# Altium PCB gaze_led_through_hole_daughtercard.PcbDoc (part 1 of 2) (continued)
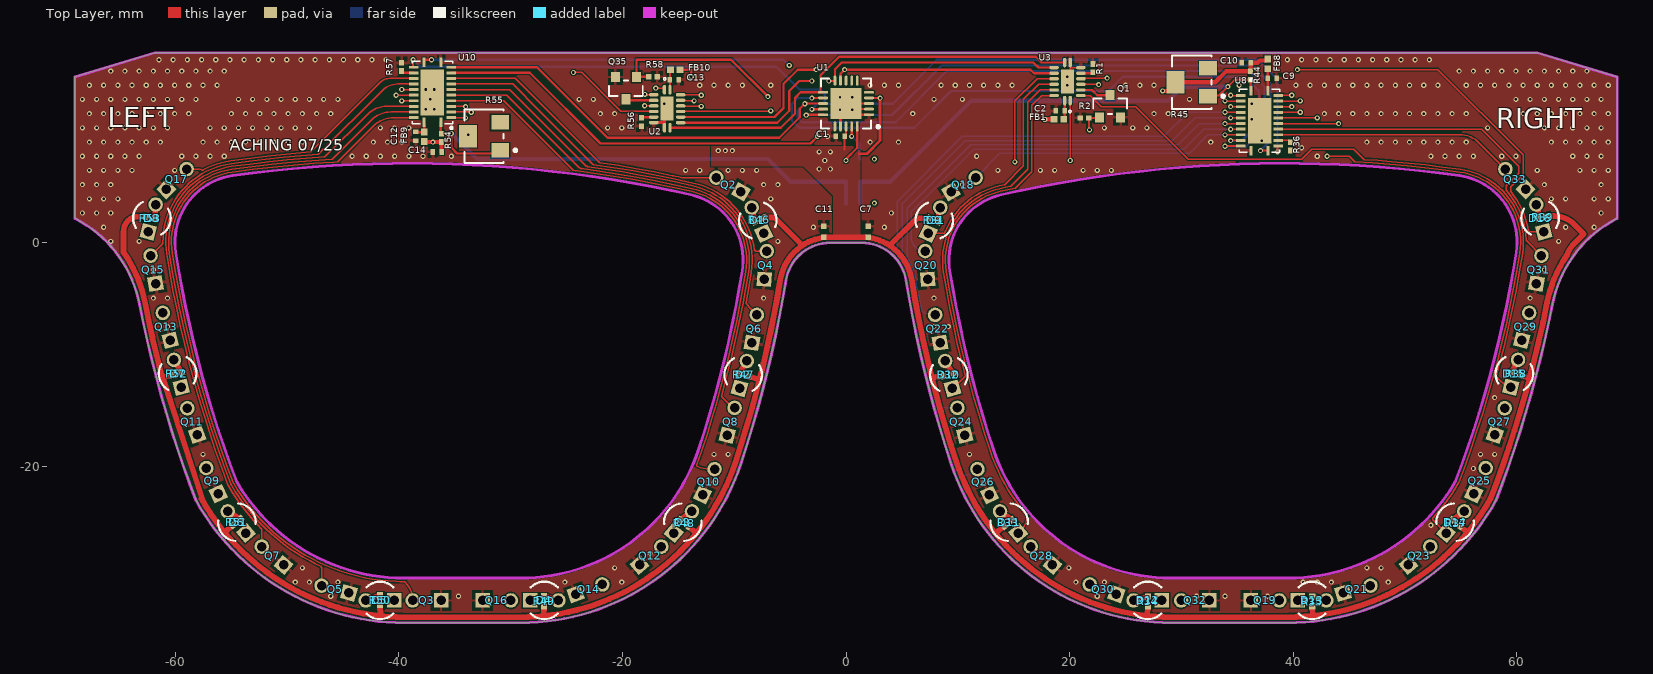
[diagram p0: Top Layer view]
## Part data
C1 C2 C9 C10 C12 C13 C14: library part CMP-2100-03641-2, "CAP CER 0.1UF 16V X7R 0402", Capacitance=100nF, Manufacturer=Murata, Package=GRM15, Temperature="-55°C to +125°C", Temperature Characteristic=X7R, Temperature Range High=+125°C, Temperature Range Low=-55°C, Tolerance=10%, Voltage Rating=16Vdc, Category=Cap, ComponentLink2Description=Datasheet, ComponentLink2URL=https://search.murata.co.jp/Ceramy/image/img/A01X/G101/ENG/GRM155R71H471KA01-01A.pdf, Device Class L1="Passive Components", Device Class L2=Capacitors, Device Class L3="Ceramic Capacitors", Digikey Description="CAP CER 0.1UF 16V X7R 0402", Height=0.55mm, Ipc Land Pattern Name=CAPC10050X219, Lead Free=yes, Manufacturer Part Number=GRM155R71C104KA88D, Material=Ceramic, Mouser Description="0402 0.1 uF 16V ±10 % Tolerance X7R SMT Multilayer Ceramic Capacitor", Octopart=https://octopart.com/grm155r71c104ka88d-murata-196880, RoHS=TRUE, Standoff Height=0mm
C7 C11: library part CMP-2100-03591-2, "CAP CER 1UF 6.3V X5R 0402", Capacitance="1 uF", Manufacturer=YAGEO, Package=CC0402, Temperature="-55°C to +125°C", Temperature Characteristic=X5R, Temperature Coefficient=30ppm/°C, Temperature Range High=+125°C, Temperature Range Low=-55°C, Tolerance=0.1, Voltage Rating="6.3 V", Automotive=No, Automotive Grade=NA, Category=Cap, ComponentLink2Description=Datasheet, ComponentLink2URL=http://www.yageo.com/documents/recent/UPY-GP_NP0_16V-to-50V_16.pdf, Device Class L1="Passive Components", Device Class L2=Capacitors, Device Class L3="Ceramic Capacitors", Digikey Description="CAP CER 1UF 6.3V X5R 0402", Footprint Url=http://www.yageo.com/exep/pages/download/literatures/UPY-C_GEN_24.pdf, Height=0.55mm, Ipc Land Pattern Name=CAPC10050X50, Lead Free=Yes, Manufacturer Part Number=CC0402KRX5R5BB105, Material=Ceramic, Mouser Description="Multilayer Ceramic Capacitors MLCC - SMD/SMT 1uF 6.3V X5R 10%", Octopart=https://octopart.com/cc0402krx5r5bb105-yageo-42244618, RoHS=TRUE
D1 D2 D3 D4 D5 D6 D7 D8 D9 D10 D11 D12 D13 D14 D15 D16: library part CMP-00030-18785862-1, "VSLB3940 940 nm 100 mA ±22° Through Hole High Speed Infrared Emitting Diode - T-1", Case/Package=T, Forward Current=100mA, Forward Voltage=1.35V, Max Operating Temperature=85°C, Max Power Dissipation=160mW, Min Operating Temperature=-25°C, Reverse Voltage=5V, Depth=3.2mm, Fall Time=15ns, Lead Free="Lead Free", Length=3.2mm, Lens Style="Circular, Diffused, Round", Mount="Through Hole", NexarPartId=18785862, Number of Elements=1, Number of LEDs=1, Number of Pins=2, Orientation="Top View", Packaging=Bulk, Peak Wavelength=940nm, Power Dissipation=160mW, Power Rating=160mW, Radiation Hardening=No, REACH SVHC=Unknown, Rise Time=15ns, RoHS=Compliant, Test Current=100mA, Viewing Angle=44°, Wavelength=940nm
FB1 FB8 FB9 FB10: library part CMP-0686-00187-4, "Chip Ferrite Bead, 0402, 600Ω @ 100MHz, 0.52Ω, 25%, 300mA", Case Code (Imperial)=0402, Case Code (Metric)=1005, Current Rating=300mA, DC Resistance (DCR)=520mR, DC Resistance-Max=600mR, Frequency=100MHz, Max Operating Temperature=125°C, Min Operating Temperature=-55°C, Package Quantity=10000, Tolerance=25%, Case/Package=0402, Core Material=Ferrite, DC Current=300mA, Depth=0.55mm, Height=0.5mm, Impedance=600R, Lead Free="Lead Free", Length=1mm, Material=Steel, Max Current Rating=300mA, Max DC Current=300mA, Military Standard=Not, Number of Circuits=1, Number of Lines=1, Number of Pins=2, Packaging="Tape and Reel", Radiation Hardening=No, REACH SVHC="No SVHC", RoHS Compliant=Yes, Series=BLM15AG_SN, Shielding=Unshielded, Termination=SMD/SMT, Test Frequency=100MHz, Width=0.5mm
J1: library part CMP-15126-126517171-1, "20021121-00010C4LF Conn Unshrouded Header HDR 10 POS 1.27mm Solder ST Top Entry SMD Minitek127® T/R", Color=Black, Contact Resistance=30mΩ, Current Rating=1A, Insulation Resistance=100MΩ, Max Operating Temperature=85°C, Max Voltage Rating (AC)=125V, Min Operating Temperature=-55°C, Connector Type="Header, Male Pin", Contact Material="Copper, Gold", Contact Mating Length=3.048mm, Contact Plating=Gold, Depth=3.4mm, Gender=Male, Height=4.8mm, Housing Color=Black, Housing Material=Thermoplastic, Length=6.35mm, Mating Post Length=3.05mm, Mount="Surface Mount", NexarPartId=126517171, Number of Contacts=10, Number of Pins=10, Number of Positions=10, Number of Rows=2, Orientation=Straight, Pitch=1.27mm, Radiation Hardening=No, REACH SVHC="No SVHC", RoHS=Compliant, Row Spacing=1.27mm, Stack Height=3mm, Termination=Solder, Voltage Rating=125V
Q1 Q35: library part CMP-12801-000001-1, "MOSFET N-CH 20V 2.8A SOT23", Continuous Drain Current=2.8A, Drain To Source Breakdown Voltage=20V, Drain To Source Resistance=61mΩ, Gate To Source Voltage=12V, Input Capacitace At Vds="130pF @ 10V", Manufacturer="Diodes Inc.", Max Forward Diode Voltage=1.2V, Max Junction Temp=+150°C, Package=SOT23, Power Dissipation=0.66W, Pulse Drain Current=12A, Temperature="-55°C to +150°C", Temperature Range Low=-55°C, Typ Forward Diode Voltage=0.7V, Automotive=Yes, Automotive Grade="Grade 0", Category=Trans, ComponentLink2Description=Datasheet, ComponentLink2URL=https://www.diodes.com/assets/Datasheets/DMG2302UK.pdf, Depletion Mode=False, Device Class L1="Discrete Semiconductors", Device Class L2=Transistors, Device Class L3=MOSFETs, Digikey Description="MOSFET N-CH 20V 2.8A SOT23", Drain To Source Voltage=20V, Footprint Url=https://www.diodes.com/assets/Package-Files/SOT23.pdf, Gate Charge At Vgs="2.8nC @ 10V", Height=1.1mm, Lead Free=Yes, Manufacturer Part Number=DMG2302UK-7, Number Of Channels=1, Number Of N Channels=1, Octopart=https://octopart.com/dmg2302uk-7-diodes+inc.-73850182, Reverse Recovery Charge=0.5nC, Reverse Recovery Time=5.3ns, RoHS=TRUE, Rthja Max=192°C/W, Standoff Height=0.013mm, Temperature Range High=+150°C, Threshold Vgs Max=1V, Threshold Vgs Min=0.3V, Turn Off Delay Time=4.2ns, Turn On Delay Time=0.6ns
Q2 Q3 Q4 Q5 Q6 Q7 Q8 Q9 Q10 Q11 Q12 Q13 Q14 Q15 Q16 Q17 Q18 Q19 Q20 Q21 Q22 Q23 Q24 Q25 Q26 Q27 Q28 Q29 Q30 Q31 Q32 Q33: library part CMP-22030-000001-1, "SENSOR PHOTO 940NM TOP VIEW T1", Collector Emitter Breakdown Voltage=30V, Dark Current=0.1uA, Manufacturer=Lite-On, Max Collector Current=9.6mA, Power Dissipation=100mW, Temperature="-40°C to +85°C", Temperature Range High=+85°C, Temperature Range Low=-40°C, Automotive=No, Category=Trans, ComponentLink2Description=Datasheet, ComponentLink2URL=http://optoelectronics.liteon.com/upload/download/DS-50-92-0072/R4206.pdf, Device Class L1=Sensors, Device Class L2="Optical Sensors", Device Class L3=Phototransistor, Digikey Description="SENSOR PHOTO 940NM TOP VIEW T1", Fall Time=10us, Height=6.65mm, Lead Free=Yes, Led Orientation="Top View", Manufacturer Part Number=LTR-4206, Mouser Description="Phototransistors Phototrans Clear", Octopart=https://octopart.com/ltr-4206-lite-on-707502, Package=LTR-4206, Rise Time=10us, RoHS=TRUE, Viewing Angle=20°, Wavelength=900nm
R1 R2 R36 R44 R54 R56 R57 R58: library part CMP-2002-03050-1, Manufacturer="Vishay Dale", Part Number=CRCW04024K70FKEDHP
R31 R32 R33 R34 R35 R37 R38 R39 R46 R47 R48 R49 R50 R51 R52 R53: library part CMP-1011-00510-4, "Chip Resistor, 1 KOhm, +/- 1%, 100 mW, -55 to 155 degC, 0402 (1005 Metric), RoHS, Tape and Reel", Case Code (Imperial)=0402, Case Code (Metric)=1005, Manufacturer="Basic Passives", Max Operating Temperature="155 degC", Min Operating Temperature="-55 degC", Package Quantity=10000, Power Rating="100 mW", Resistance=1k, Tolerance=1%, Voltage Rating="50 V", Case\/Package=0402, ComponentLink1Description="Manufacturer URL", ComponentLink1URL=http://www.panasonic.com/, ComponentLink2Description=Datasheet, ComponentLink2URL=http://industrial.panasonic.com/cdbs/www-data/pdf/RDA0000/AOA0000C86.pdf, DatasheetVersion=04/2015, Height="0.35 mm", Length="1 mm", Mount="Surface Mount", Mounting Technology="Surface Mount", PackageDescription="2-Pin Surface Mount Device, Body 1 x 0.5 mm", PackageReference=0402, Packaging="Tape and Reel", PartNumber=ERJ-2RKF1001X, Pins=2, Radiation Hardening=No, REACH SVHC=Yes, RoHSCompliant=true, Width="0.5 mm"
R45 R55: library part CMP-2000-05579-1, "3214 - 5-Turn Trimpot(R) Trimming Potentiometer, 5 KOhm, +/- 10%, 0.25 W, -65 to 150 degC, RoHS, Tape and Reel", Manufacturer=Bourns, Package Description="3-Pin Surface Mount Device, Body 3.5 x 4.8 mm, Pitch 1.25 mm", Package Reference=3214W, Power Rating=250mW, Resistance Tolerance=±10%, Temperature Coefficient=±100ppm/°C, Track Resistance=5kohm, Datasheet URL=http://www.bourns.com/docs/Product-Datasheets/3214.pdf, Datasheet Version=05/2016, Manufacturer URL=http://www.bourns.com/, Mounting Technology=SurfaceMount, No. of Turns=5, Potentiometer Mounting=SMD, RoHS Compliant=Yes, SVHC=NoSVHC(16-Jun-2014)
U1: library part CMP-0186-00018-2, "8-Bit I/O Expander with Serial Interface, 20-Pin QFN, Extended Temperature", ComponentLink1Description="Manufacturer URL", ComponentLink1URL=http://www.microchip.com/, ComponentLink2Description=Datasheet, ComponentLink2URL=http://ww1.microchip.com/downloads/en/DeviceDoc/21919e.pdf, ComponentLink3Description="Package Specification", ComponentLink3URL=http://www.microchip.com/stellent/groups/techpub_sg/documents/packagingspec/en012702.pdf, DatasheetVersion="revE, Aug-2007", PackageDescription="20-Lead Plastic Quad Flat, No Lead Package (ML) - 4x4x0.9 mm Body [QFN]", PackageReference=QFN-ML20, PackageVersion="revBB, Aug-2009", RevisionNote="URLs added."
U2 U3: "1 Circuit IC Switch 8:1 120Ohm 16-DHVQFN (2.5x3.5)", Package="DHVQFN16-16 Nexperia USA Inc.", Check_prices=https://www.snapeda.com/parts/74HC4051BQ,115/Nexperia/view-part/?ref=eda, DigiKey_Part_Number=1727-6049-2-ND, MF="Nexperia USA Inc.", MP=74HC4051BQ,115, Purchase-URL=https://pricing.snapeda.com/search?q=74HC4051BQ,115&ref=eda, SnapEDA_Link=https://www.snapeda.com/parts/74HC4051BQ,115/Nexperia/view-part/?ref=snap
U8 U10: "1 Circuit IC Switch 16:1 120Ohm 24-DHVQFN (5.5x3.5)", Package="DHVQFN24-24 Nexperia", Check_prices=https://www.snapeda.com/parts/74HC4067BQ,118/Nexperia/view-part/?ref=eda, MF="Nexperia USA Inc.", MP=74HC4067BQ,118, SnapEDA_Link=https://www.snapeda.com/parts/74HC4067BQ,118/Nexperia/view-part/?ref=snap

## Via types
v1: diameter 0.457, hole 0.229, Top Layer to Bottom Layer, tented both sides, 417 vias
v2: diameter 0.457, hole 0.229, Top Layer to Bottom Layer, 20 vias
v3: diameter 0.5, hole 0.2, Top Layer to Bottom Layer, tented both sides, 4 vias

## Nets (pads, with @x,y where several pads share a name; then routed paths per layer and width w, separated by ;. In a path a pad name is that pad's centre, name@x,y a point inside that pad or via, vN(x,y) a via of type N, cw(c..) or ccw(c..) an arc to the next point about the centre after c; other vN are vias at no path point)
3V3: C1.2 C7.2 C10.1 C11.2 C14.1 FB1.1 FB8.1 FB9.1 FB10.1 J1.8 J1.10 R31.1 R32.1 R33.1 R34.1 R35.1 R37.1 R38.1 R39.1 R44.2 R45.2 R46.1 R47.1 R48.1 R49.1 R50.1 R51.1 R52.1 R53.1 R54.2 R55.2 U1.4 U1.18 | length 346.1
  Top Layer w0.203: FB10.1@-14.859,15.494 -13.843,15.494 v2(-13.843,14.859) ; -0.127,8.382 -0.127,9.525 C1.2@-0.108,9.525 -0.108,9.575 -0.001,9.682 -0.001,10.405 U1.18@0.008,10.414 ; U1.4@2.058,12.964 2.063,12.959 3.043,12.959 v2(3.048,12.954)
  Top Layer w0.254: 1.198,7.976 1.88,7.976 3.048,9.144 v2(3.048,12.954)
  Top Layer w0.381: FB9.1@-37.623,9.153 FB9.1@-37.719,9.049 -37.687,9.017 v2(-36.957,9.017) -36.811,9.017 R54.2@-36.195,9.023 -36.195,8.197 -36.186,8.187 C14.1@-36.176,8.128 ; v1@-2.428,8.143 v1(-2.413,8.128) ; v2(17.78,11.049) FB1.1@18.621,11.049 ; v2(28.321,13.589) 28.875,13.589 29.485,14.199 R45.2@29.485,14.371 33.034,14.371 34.004,15.341 R44.2@36.209,15.341 C10.1@36.209,16.109 36.81,16.109 37.014,16.313 37.623,16.313 37.719,16.409 FB8.1@37.719,16.431
  Top Layer w0.508: R53.1@-62.673,2.332 -63.327,2.332 ccw(c-63.327,1.016) -64.643,1.016 -64.643,-0.832 cw(c-74.555,-7.715) -62.711,-5.4 ccw(c40.965,14.979) -61.298,-11.597 -61.151,-12.049 ; R52.1@-60.314,-11.843 -61.151,-12.049 ; -57.671,-22.888 ccw(c-39.524,-12.662) -55.611,-25.895 ; -57.531,-23.114 -61.151,-12.049 ; R51.1@-54.858,-25.273 -55.611,-25.895 ; R50.1@-41.687,-32.413 -41.654,-33.383 ; R49.1@-27.005,-32.523 -27.065,-33.388 ; R48.1@-14.145,-25.361 -13.383,-25.996 ; R47.1@-8.709,-11.927 -8.694,-11.953 -7.74,-12.257 ; R46.1@-7.36,2.257 -6.4,2.257 -3.905,-0.238 ; 0.762,0.508 1.421,0.508 ; R31.1@7.466,2.222 7.44,2.196 6.339,2.196 3.905,-0.238 ; R32.1@8.709,-11.927 8.684,-11.913 7.687,-12.048 ; R33.1@14.176,-25.355 14.147,-25.353 13.371,-25.982 ; R34.1@27.012,-32.537 26.941,-33.375 ; R35.1@41.714,-32.555 41.766,-33.371 ; R37.1@54.94,-25.367 55.611,-25.895 ; R38.1@60.398,-11.839 61.155,-12.143 ; R39.1@62.792,2.402 63.347,2.402 cw(c63.347,-0.138) 65.143,1.659 66.011,0.791 65.132,-0.088 ccw(c66.929,-1.884) 64.531,-1.045 cw(c64.052,-0.876) 64.474,-1.16 ccw(c74.006,-7.608) 62.714,-5.387 cw(c-40.965,14.979) 61.155,-12.143 ; -55.611,-25.895 ccw(c-39.524,-12.662) -41.654,-33.383 ; -41.654,-33.383 ccw(c-39.524,-12.662) -39.524,-33.492 -29.119,-33.492 ccw(c-29.119,-13.224) -27.065,-33.388 ; -27.065,-33.388 ccw(c-29.119,-13.224) -24.803,-33.027 ccw(c-29.119,-13.224) -13.383,-25.996 ; -13.383,-25.996 ccw(c-29.119,-13.224) -10.741,-21.769 ccw(c-29.119,-13.224) -9.875,-19.583 ccw(c-111.661,14.057) -7.74,-12.257 ; -7.74,-12.257 ccw(c-111.661,14.057) -5.87,-3.269 cw(c-1.421,-4) -3.905,-0.238 ; -3.905,-0.238 cw(c-1.421,-4) -2.498,0.378 C11.2@-2,0.5 -1.487,0.508 cw(c-1.421,-4) -1.421,0.508 1.421,0.508 ; 1.421,0.508 cw(c1.421,-4) 3.905,-0.238 ; 3.905,-0.238 cw(c1.421,-4) 5.87,-3.27 ccw(c111.661,14.057) 7.687,-12.048 ; 7.687,-12.048 ccw(c111.661,14.057) 9.872,-19.574 ccw(c29.119,-13.224) 13.371,-25.982 ; 13.371,-25.982 ccw(c29.119,-13.224) 26.941,-33.375 ; 26.941,-33.375 ccw(c29.119,-13.224) 29.119,-33.492 39.524,-33.492 ccw(c39.524,-12.662) 41.766,-33.371 ; 41.766,-33.371 ccw(c39.524,-12.662) 55.611,-25.895 ; 55.611,-25.895 ccw(c39.524,-12.662) 57.67,-22.89 ccw(c57.227,-22.641) 57.701,-22.825 ccw(c-40.965,14.979) 61.155,-12.143
  L2 w0.635: v2(-36.957,9.017) -36.068,9.017 ; v2(-33.782,9.652) -33.782,9.017 -36.068,9.017 ; v2(-13.843,14.859) -15.113,14.859 -15.113,8.255 ; v1(-10.16,8.255) -15.113,8.255 ; v1(-2.413,6.604) v1(-1.397,6.604) 3.429,6.604 7.874,11.049 v2(17.78,11.049) 25.781,11.049 v2(28.321,13.589) ; -36.068,9.017 -36.068,13.462 -27.94,13.462 -22.733,8.255 -15.113,8.255
  other v1: -1.905,7.366 -1.397,8.128 -11.43,8.255 -10.795,8.255
GND: C1.1 C2.2 C7.1 C9.2 C10.2 C11.1 C12.2 C13.2 C14.2 J1.7 J1.9 Q1.2 Q2.1 Q3.1 Q4.1 Q5.1 Q6.1 Q7.1 Q8.1 Q9.1 Q10.1 Q11.1 Q12.1 Q13.1 Q14.1 Q15.1 Q16.1 Q17.1 Q18.1 Q19.1 Q20.1 Q21.1 Q22.1 Q23.1 Q24.1 Q25.1 Q26.1 Q27.1 Q28.1 Q29.1 Q30.1 Q31.1 Q32.1 Q33.1 Q35.2 R1.2 R2.1 R36.1 R56.2 R57.1 R58.1 U1.1 U1.2 U1.3 U1.17 U1.21 U2.7 U2.8 U2.17 U3.7 U3.8 U3.17 U8.12 U8.25 U10.12 U10.25 | length 14.3
  Top Layer w0.127: U3.17@19.816,14.429 20.066,14.679 20.066,15.621 ; U3.8@20.066,16.129 20.066,15.621 ; U3.7@21.016,15.679 20.124,15.679 20.066,15.621
  Top Layer w0.203: U1.1@2.058,11.464 1.008,11.464 v3(0.558,11.914) U1.21@0.508,11.964 ; U1.2@2.058,11.964 U1.21@0.508,11.964 ; U1.3@2.058,12.464 U1.21@0.008,12.464 U1.21@0.508,11.964
  Top Layer w0.254: U2.7@-17.2,10.75 -16.25,10.75 ; U2.8@-16.25,10.3 -16.25,10.75 ; U2.17@-16,12 -16.25,12 -16.25,10.75 ; U1.17@-0.492,10.414 -0.492,12.464 U1.21@0.008,12.464
  other v1: -46.101,-31.623 -34.671,-31.623 22.479,-31.623 31.369,-31.623 33.909,-31.623 37.719,-31.623 -49.276,-30.353 -48.006,-30.353 -45.466,-30.353 -25.146,-30.353 -20.066,-30.353 20.574,-30.353 23.114,-30.353 40.894,-30.353 42.164,-30.353 43.434,-30.353 48.514,-30.353 -48.641,-29.083 -20.701,-29.083 19.939,-29.083 46.609,-29.083 47.879,-29.083 -17.526,-27.813 51.054,-27.813 52.324,-25.273 -11.811,-21.463 12.319,-21.463 56.769,-21.463 56.134,-20.193 -57.531,-18.923 -11.811,-18.923 -10.541,-18.923 11.049,-18.923 56.769,-18.923 58.039,-18.923 58.039,-13.843 -60.706,-7.493 -8.636,-7.493 7.874,-7.493 9.144,-7.493 61.214,-7.493 -61.976,-4.953 -60.706,-4.953 -7.366,-4.953 7.874,-4.953 61.214,-4.953 -61.976,-2.413 62.484,-2.413 -65.786,0.127 -63.246,0.127 -6.096,0.127 63.754,0.127 -66.421,1.397 -2.921,1.397 3.429,1.397 64.389,1.397 66.929,1.397 -68.326,2.667 -67.056,2.667 -65.786,2.667 4.064,2.667 67.564,2.667 -67.691,3.937 -66.421,3.937 -65.151,3.937 -6.731,3.937 63.119,3.937 64.389,3.937 66.929,3.937 68.199,3.937 -68.326,5.207 -67.056,5.207 -65.786,5.207 -7.366,5.207 -6.096,5.207 10.414,5.207 62.484,5.207 67.564,5.207 -67.691,6.477 -66.421,6.477 -65.151,6.477 -63.881,6.477 -60.071,6.477 -14.351,6.477 -13.081,6.477 -10.541,6.477 -9.271,6.477 -8.001,6.477 13.589,6.477 17.399,6.477 18.669,6.477 21.209,6.477 22.479,6.477 23.749,6.477 61.849,6.477 65.659,6.477 66.929,6.477 68.199,6.477 -68.326,7.747 -67.056,7.747 -65.786,7.747 -64.516,7.747 -63.246,7.747 -59.436,7.747 -58.166,7.747 -56.896,7.747 -55.626,7.747 -44.196,7.747 -42.926,7.747 -41.656,7.747 -40.386,7.747 -39.116,7.747 -37.846,7.747 -35.306,7.747 11.684,7.747 42.164,7.747 52.324,7.747 53.594,7.747 54.864,7.747 56.134,7.747 58.674,7.747 59.944,7.747 65.024,7.747 66.294,7.747 67.564,7.747 -67.691,9.017 -66.421,9.017 -65.151,9.017 -63.881,9.017 -62.611,9.017 -61.341,9.017 -57.531,9.017 -56.261,9.017 -54.991,9.017 -53.721,9.017 -52.451,9.017 -51.181,9.017 -49.911,9.017 -48.641,9.017 -42.291,9.017 -41.021,9.017 -39.751,9.017 2.159,9.017 4.699,9.017 32.639,9.017 46.609,9.017 47.879,9.017 49.149,9.017 50.419,9.017 51.689,9.017 52.959,9.017 54.229,9.017 55.499,9.017 63.119,9.017 64.389,9.017 65.659,9.017 66.929,9.017 68.199,9.017 -1.651,9.525 -68.326,10.287 -67.056,10.287 -65.786,10.287 -64.516,10.287 -63.246,10.287 -61.976,10.287 -60.706,10.287 -56.896,10.287 -55.626,10.287 -54.356,10.287 -53.086,10.287 -51.816,10.287 -50.546,10.287 -49.276,10.287 -48.006,10.287 -41.656,10.287 -40.386,10.287 -39.116,10.287 -21.336,10.287 -20.066,10.287 23.114,10.287 25.654,10.287 26.924,10.287 57.404,10.287 62.484,10.287 63.754,10.287 65.024,10.287 66.294,10.287 67.564,10.287 -67.691,11.557 -66.421,11.557 -65.151,11.557 -63.881,11.557 -62.611,11.557 -61.341,11.557 -60.071,11.557 -58.801,11.557 -54.991,11.557 -53.721,11.557 -52.451,11.557 -51.181,11.557 -49.911,11.557 -48.641,11.557 -47.371,11.557 -46.101,11.557 -21.971,11.557 -20.701,11.557 5.969,11.557 27.559,11.557 28.829,11.557 42.799,11.557 44.069,11.557 45.339,11.557 46.609,11.557 47.879,11.557 49.149,11.557 50.419,11.557 51.689,11.557 52.959,11.557 54.229,11.557 55.499,11.557 60.579,11.557 61.849,11.557 63.119,11.557 64.389,11.557 65.659,11.557 66.929,11.557 68.199,11.557 -68.326,12.827 -67.056,12.827 -65.786,12.827 -64.516,12.827 -63.246,12.827 -61.976,12.827 -60.706,12.827 -59.436,12.827 -58.166,12.827 -54.356,12.827 -53.086,12.827 -51.816,12.827 -50.546,12.827 -49.276,12.827 -48.006,12.827 -46.736,12.827 -45.466,12.827 -23.876,12.827 -22.606,12.827 7.874,12.827 10.414,12.827 30.734,12.827 59.944,12.827 61.214,12.827 62.484,12.827 63.754,12.827 65.024,12.827 66.294,12.827 67.564,12.827 -67.691,14.097 -66.421,14.097 -65.151,14.097 -63.881,14.097 -62.611,14.097 -61.341,14.097 -60.071,14.097 -58.801,14.097 -57.531,14.097 -56.261,14.097 -13.081,14.097 -11.811,14.097 -10.541,14.097 -9.271,14.097 -6.731,14.097 2.159,14.097 3.429,14.097 4.699,14.097 8.509,14.097 9.779,14.097 11.049,14.097 12.319,14.097 13.589,14.097 14.859,14.097 25.019,14.097 26.289,14.097 27.559,14.097 35.179,14.097 40.259,14.097 41.529,14.097 42.799,14.097 44.069,14.097 45.339,14.097 46.609,14.097 47.879,14.097 49.149,14.097 50.419,14.097 51.689,14.097 52.959,14.097 55.499,14.097 56.769,14.097 58.039,14.097 59.309,14.097 60.579,14.097 61.849,14.097 63.119,14.097 64.389,14.097 65.659,14.097 66.929,14.097 68.199,14.097 -65.786,15.367 -64.516,15.367 -63.246,15.367 -61.976,15.367 -60.706,15.367 -59.436,15.367 -58.166,15.367 -56.896,15.367 -55.626,15.367 54.864,15.367 56.134,15.367 57.404,15.367 58.674,15.367 59.944,15.367 61.214,15.367 62.484,15.367 63.754,15.367 65.024,15.367 66.294,15.367 -61.468,16.383 -60.198,16.383 -58.928,16.383 -57.658,16.383 -56.388,16.383 -55.118,16.383 -53.848,16.383 -52.578,16.383 -51.308,16.383 -50.038,16.383 -48.768,16.383 -47.498,16.383 -46.228,16.383 -44.958,16.383 -43.688,16.383 -42.418,16.383 -41.148,16.383 39.497,16.383 40.767,16.383 42.037,16.383 43.307,16.383 44.577,16.383 45.847,16.383 47.117,16.383 48.387,16.383 49.657,16.383 50.927,16.383 52.197,16.383
  other v2: 40.767,8.509 37.211,9.144 36.322,11.049 -37.592,11.938 -36.83,11.938 -16.256,12.446 36.322,12.446 -37.211,12.827 -37.592,13.716 -36.83,13.716 19.812,14.097 19.812,14.859
  other v3: -0.542,11.914 -0.542,13.014 0.558,13.014
I2C_SCL: J1.4 U1.19 | length 3.3
  Top Layer w0.203: v1(0.508,9.525) U1.19@0.508,10.414
  Bottom Layer w0.203: v1(0.508,9.525) 1.197,8.836 1.197,7.523 J1.4@1.27,7.45
I2C_SDA: J1.6 U1.20 | length 3.6
  Top Layer w0.203: v1(0,7.366) 0,7.493 1.008,8.501 U1.20@1.008,10.414
  Bottom Layer w0.203: J1.6@0,7.45 J1.6@0.127,7.577
LEFT_NIR_LED_0: D1.1 U2.13 | length 19.2
  Top Layer w0.127: U2.13@-14.8,12.25 -14.78,12.23 -12.985,12.23 v1(-12.954,12.2)
  L2 w0.127: v1(-12.954,12.2) -9.787,12.2 -5.207,7.62 -5.207,3.005 D1.1@-7.363,0.849
LEFT_NIR_LED_1: D2.1 U2.14 | length 34.8
  Top Layer w0.127: U2.14@-14.8,12.75 -14.775,12.725 -13.614,12.725 v1(-13.589,12.7)
  L2 w0.127: v1(-13.589,12.7) -9.271,12.7 -4.726,8.155 -4.726,-0.481 -4.918,-0.672 -4.918,-0.675 ccw(c-1.421,-4) -6.182,-3.211 cw(c-111.661,14.057) -7.789,-11.135 cw(c-111.661,14.057) -8.104,-12.402 cw(c-8.227,-12.37) -8.135,-12.457 cw(c-9.471,-11.176) -8.895,-12.935 -8.897,-12.934 -9.471,-13.027 D2.1@-9.529,-13.027
LEFT_NIR_LED_2: D3.1 U2.15 | length 50.9
  Top Layer w0.127: U2.15@-14.8,13.25 -14.779,13.229 -12.975,13.229 v1(-12.954,13.208)
  L2 w0.127: D3.1@-15.416,-25.973 -14.641,-25.961 ccw(c-14.587,-25.846) -14.587,-25.973 -13.505,-25.973 ccw(c-13.506,-25.846) -13.407,-25.926 ccw(c-29.119,-13.224) -12.601,-24.858 ccw(c-29.119,-13.224) -9.935,-19.562 ccw(c-10.056,-19.522) -9.934,-19.557 -7.862,-12.477 ccw(c-8.227,-12.37) -7.858,-12.465 ccw(c-111.661,14.057) -5.932,-3.254 -5.931,-3.252 cw(c-1.421,-4) -4.621,-0.735 -4.318,-0.432 -4.318,8.687 -8.839,13.208 v1(-12.954,13.208)
LEFT_NIR_LED_3: D4.1 U2.12 | length 67.2
  Top Layer w0.127: U2.12@-14.8,11.75 -14.77,11.78 -6.762,11.78 v1(-6.731,11.811)
  L2 w0.127: D4.1@-28.27,-32 -27.683,-32.587 -26.771,-33.499 ccw(c-26.682,-33.409) -26.667,-33.535 ccw(c-29.119,-13.224) -19.889,-31.482 ccw(c-29.119,-13.224) -9.694,-19.643 ccw(c-111.661,14.057) -5.681,-3.297 cw(c-1.421,-4) -4.136,-0.643 cw(c-1.421,-4) -4.006,-0.542 cw(c-1.421,-4) -3.975,-0.519 ccw(c-4.051,-0.417) -3.937,-0.473 -3.937,9.106 -6.642,11.811 v1(-6.731,11.811)
LEFT_NIR_LED_4: D5.1 U2.1 | length 104.6
  Top Layer w0.127: v1(-17.018,13.843) -16.33,13.843 -16.25,13.763 U2.1@-16.25,13.7
  L2 w0.127: -43.253,-33.349 cw(c-39.524,-12.662) -57.857,-22.946 cw(c-57.746,-22.885) -57.864,-22.932 cw(c40.965,14.979) -62.901,-5.425 ccw(c-74.006,-7.608) -64.473,-1.507 -64.473,4.898 cw(c-63.931,4.898) -64.315,5.281 -54.666,14.93 cw(c-52.384,12.647) -52.384,15.875 -19.05,15.875 v1(-17.018,13.843) ; -43.252,-33.349 ccw(c-39.524,-12.662) -42.03,-33.533 ccw(c-42.016,-33.406) -41.927,-33.497 D5.1@-40.43,-32
LEFT_NIR_LED_5: D6.1 U2.5 | length 87
  Top Layer w0.127: v1(-24.384,15.24) -23.622,15.24 -20.132,11.75 U2.5@-17.2,11.75
  L2 w0.127: -60.904,-12.829 ccw(c-60.538,-12.726) -60.9,-12.843 -57.636,-22.817 ccw(c-57.515,-22.777) -57.634,-22.822 -57.634,-22.823 ccw(c-57.515,-22.777) -57.627,-22.838 ccw(c-39.524,-12.662) -57.045,-23.809 ccw(c-39.524,-12.662) -55.585,-25.826 ; -60.905,-12.829 cw(c40.965,14.979) -62.652,-5.374 ccw(c-74.006,-7.608) -64.182,-1.493 -64.195,-1.458 cw(c-63.838,-1.324) -64.219,-1.325 -64.219,4.572 cw(c-63.503,4.572) -64.01,5.078 -54.629,14.459 cw(c-52.743,12.573) -52.743,15.24 v1(-24.384,15.24) ; -55.584,-25.827 ccw(c-55.488,-25.745) -55.513,-25.869 ; -55.512,-25.869 ccw(c-55.118,-23.876) -55.118,-25.908 -53.684,-25.908 D6.1@-53.684,-25.973
LEFT_NIR_LED_6: D7.1 U2.2 | length 70.5
  Top Layer w0.127: v1(-17.987,13.281) -17.972,13.265 -17.215,13.265 U2.2@-17.2,13.25
  L2 w0.127: D7.1@-60.08,-12.923 cw(c-59.944,-10.387) -60.571,-12.848 cw(c-60.538,-12.726) -60.66,-12.76 cw(c40.965,14.979) -61.653,-8.824 cw(c40.965,14.979) -62.403,-5.324 ccw(c-74.006,-7.608) -63.947,-1.39 cw(c-63.838,-1.324) -63.965,-1.325 -63.965,3.937 cw(c-62.329,3.937) -63.486,5.094 -54.592,13.988 cw(c-52.796,12.192) -52.796,14.732 -19.438,14.732 v1(-17.987,13.281) ; D7.1@-60.08,-12.923 -59.944,-12.927 D7.1@-59.471,-12.927
LEFT_NIR_LED_7: D8.1 U2.4 | length 55.6
  Top Layer w0.127: v1(-18.016,12.263) -18.009,12.257 -17.207,12.257 U2.4@-17.2,12.25
  L2 w0.127: D8.1@-62.429,0.973 -63.009,1.075 cw(c-62.435,2.661) -63.671,1.513 -63.671,3.908 cw(c-62.48,3.908) -63.322,4.75 -54.465,13.607 cw(c-52.669,11.811) -52.669,14.351 -20.103,14.351 v1(-18.016,12.263)
LEFT_NIR_LED_ON: J1.2 Q35.1 R58.2 | length 27.6
  Top Layer w0.203: R58.2@-17.653,14.859 -18.719,14.859 Q35.1@-18.735,14.843 -18.735,16.383 -10.287,16.383 v1(-6.985,13.081)
  L2 w0.203: v1(-6.985,13.081) -2.794,8.89 -0.161,8.89 1.236,7.493 v1(2.54,7.493)
LEFT_NIR_PT_0: Q2.2 U10.9 | length 27
  Top Layer w0.127: U10.9@-35.315,14.712 -29.571,14.712 -22.105,7.246 ccw(c-21.992,7.303) -22.012,7.178 cw(c-39.064,-106.875) -15.53,6.019 cw(c-39.064,-106.875) -15.271,5.964 cw(c-39.064,-106.875) -14.677,5.838 ; -14.676,5.838 ccw(c-14.651,5.962) -14.653,5.835 Q2.2@-11.6,5.835
LEFT_NIR_PT_1: Q4.2 U10.8 | length 34.6
  Top Layer w0.127: U10.8@-35.315,14.212 -29.833,14.212 -27.432,11.811 -22.664,7.043 ccw(c-22.574,7.132) -22.593,7.007 cw(c-39.064,-106.875) -13.647,5.349 cw(c-15.208,-1.556) -8.189,-0.626 ccw(c-8.064,-0.608) -8.063,-0.735 ; -8.062,-0.735 Q4.2@-7.089,-0.735
LEFT_NIR_PT_2: Q6.2 U10.7 | length 39.1
  Top Layer w0.127: U10.7@-35.315,13.712 -30.095,13.712 -28.702,12.319 -23.271,6.888 ccw(c-23.119,7.041) -23.192,6.838 ccw(c-23.15,6.958) -23.168,6.832 cw(c-39.064,-106.875) -23.123,6.826 cw(c-39.064,-106.875) -13.702,5.101 cw(c-15.208,-1.556) -8.47,-2.647 ; -8.47,-2.648 cw(c-520.288,80.199) -8.656,-3.791 cw(c-8.761,-3.773) -8.663,-3.813 cw(c-142.788,19.924) -8.936,-5.307 ccw(c-8.811,-5.329) -8.921,-5.393 ccw(c-6.731,-4.106) -8.527,-5.902 Q6.2@-7.979,-6.449
LEFT_NIR_PT_3: Q8.2 U10.6 | length 47.4
  Top Layer w0.127: U10.6@-35.315,13.212 -30.357,13.212 -23.899,6.754 ccw(c-23.617,7.036) -23.732,6.654 ccw(c-23.697,6.777) -23.715,6.651 cw(c-39.064,-106.875) -13.768,4.856 -13.758,4.854 cw(c-15.208,-1.556) -8.72,-2.605 cw(c-111.661,14.057) -9.537,-7.039 cw(c-111.661,14.057) -11.134,-13.668 ccw(c-11.011,-13.701) -11.102,-13.79 ; -23.715,6.651 cw(c-39.064,-106.875) -23.617,6.638 ; -11.101,-13.791 -10.223,-14.669 ccw(c-9.971,-14.417) Q8.2@-9.971,-14.773